# KiCad board panel-16.kicad_pcb (continued)
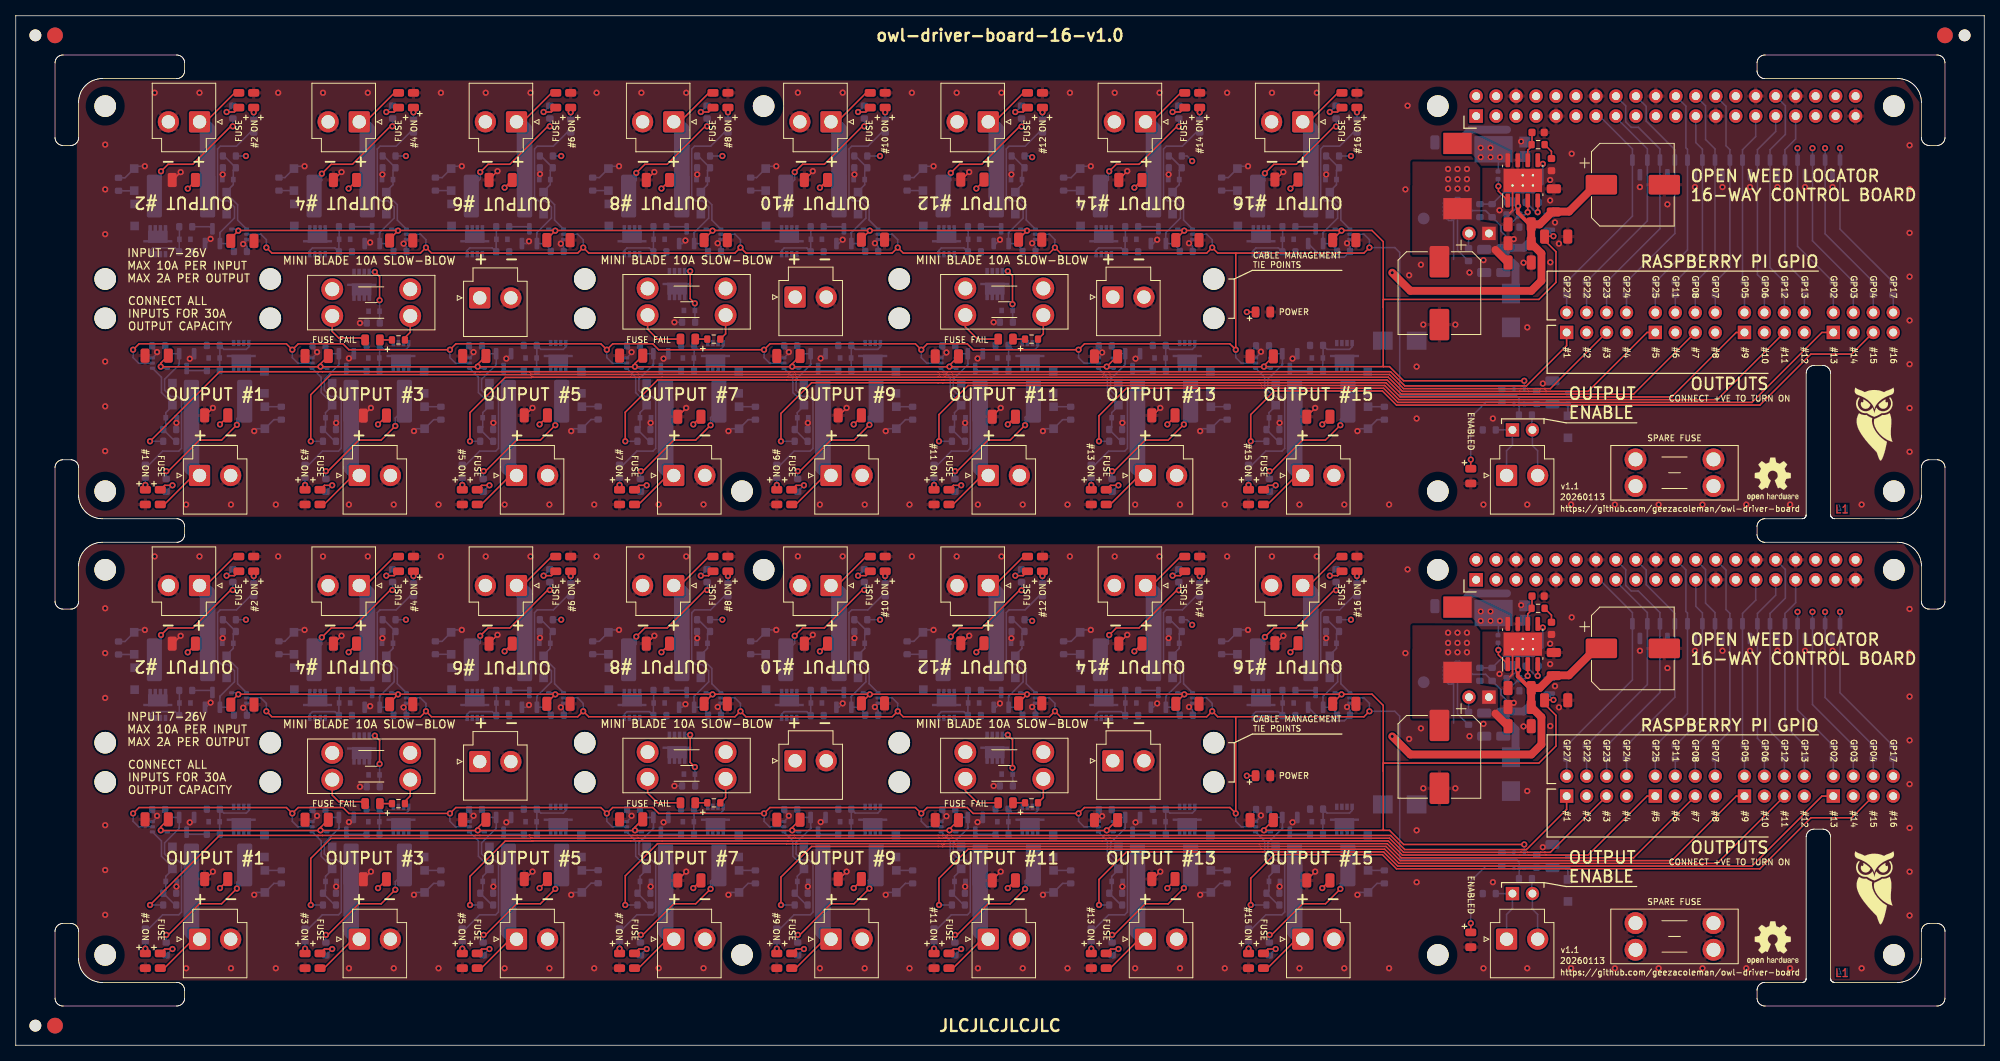
[diagram p0: board, top side]
## Routing (per net, layer and track width the routed paths; a pad name or vN(x,y) marks a point on that pad's centre or on a via; arc(x,y) is an arc through that point) (continued)
Board_0-/Output chain 5/GATE: length 7.4
  Bottom w0.2: 69.98,89.1 69.98,88.88 69.65,88.55 66.78,88.55 R52.1 ; 66.28,87.35 66.28,88.95 ; 66.25,85.75 66.25,87.33
Board_0-/Output chain 5/OUTPUT+: length 14.7
  Top w0.2: 59.22,68.81 62.65,72.25
  Bottom w2: F6.2 62.66,73.53 J12#2.1
Board_0-/Output chain 6/DRAIN: length 15.8
  Top w0.2: v1(67.93,116.93) 67.68,116.93 62.85,112.1 60.08,112.1 v1(59.08,111.1)
  Bottom w0.2: R159#2.2 D54.1 ; 58.62,109.74 59.08,110.2 v1(59.08,111.1) ; v1(67.93,116.93) 67.96,116.95 67.96,117.9
Board_0-/Output chain 6/GATE: length 7.4
  Bottom w0.2: 61.14,104.25 61.14,102.68 ; 57.41,100.9 57.41,101.13 57.74,101.45 60.61,101.45 R70.1 ; 61.11,102.65 61.11,101.05
Board_0-/Output chain 6/OUTPUT+: length 14.7
  Top w0.2: 68.17,121.19 64.74,117.76
  Bottom w2: J13#2.1 64.72,116.47 F7.2
Board_0-/Output chain 7/DRAIN: length 16
  Top w0.2: v1(79.51,73.05) 79.76,73.05 83.7,77 86.48,77 v1(88.38,78.9)
  Bottom w0.2: v1(79.51,73.05) 79.48,73.02 79.48,72.08 ; R160.2 D61#2.1 ; v1(88.38,78.9) 88.38,79.87 88.82,80.31
Board_0-/Output chain 7/GATE: length 7.4
  Bottom w0.2: 89.98,89.1 89.98,88.88 89.65,88.55 86.78,88.55 R77#2.1 ; 86.28,87.35 86.28,88.95 ; 86.25,85.75 86.25,87.33
Board_0-/Output chain 7/OUTPUT+: length 14.7
  Top w0.2: 79.22,68.81 82.65,72.25
  Bottom w2: F8#2.2 82.66,73.53 J14.1
Board_0-/Output chain 8/DRAIN: length 15.8
  Top w0.2: v1(87.93,116.93) 87.68,116.93 82.85,112.1 80.03,112.1 v1(78.93,111)
  Bottom w0.2: R161.2 D68#2.1 ; 87.96,117.9 87.96,116.95 v1(87.93,116.93) ; 78.62,109.74 78.93,110.05 v1(78.93,111)
Board_0-/Output chain 8/GATE: length 7.4
  Bottom w0.2: R84.1 80.61,101.45 77.74,101.45 77.41,101.13 77.41,100.9 ; 81.11,102.65 81.11,101.05 ; 81.14,104.25 81.14,102.68
Board_0-/Output chain 8/OUTPUT+: length 14.7
  Top w0.2: 88.17,121.19 84.74,117.76
  Bottom w2: J15#2.1 84.72,116.47 F9#2.2
Board_0-/Output chain 9/DRAIN: length 16.2
  Top w0.2: v1(99.48,73.05) 99.73,73.05 103.68,77 106.63,77 v1(108.58,78.95)
  Bottom w0.2: R162.2 D75#2.1 ; 108.79,80.31 108.43,79.95 108.43,79.1 v1(108.58,78.95) ; R93#2.2 99.45,73.02 v1(99.48,73.05)
Board_0-/Output chain 9/GATE: length 7.4
  Bottom w0.2: 106.28,87.35 106.28,88.95 ; R91.1 106.78,88.55 109.65,88.55 109.98,88.88 109.98,89.1 ; 106.25,85.75 106.25,87.33
Board_0-/Output chain 9/OUTPUT+: length 14.7
  Top w0.2: 99.22,68.81 102.65,72.25
  Bottom w2: F10#2.2 102.66,73.53 J16.1
Board_0-/Output chain 10/DRAIN: length 15.8
  Top w0.2: v1(107.93,116.93) 107.68,116.93 102.85,112.1 100.08,112.1 v1(99.08,111.1)
  Bottom w0.2: 107.96,117.9 107.96,116.95 v1(107.93,116.93) ; R163#2.2 D82#2.1 ; v1(99.08,111.1) 99.08,110.15 98.62,109.69
Board_0-/Output chain 10/GATE: length 7.4
  Bottom w0.2: 101.14,104.25 101.14,102.68 ; R98#2.1 100.61,101.45 97.74,101.45 97.41,101.13 97.41,100.9 ; 101.11,102.65 101.11,101.05
Board_0-/Output chain 10/OUTPUT+: length 14.7
  Top w0.2: 108.17,121.19 104.74,117.76
  Bottom w2: J17.1 104.72,116.47 F11.2
Board_0-/Output chain 11/DRAIN: length 16.1
  Top w0.2: v1(119.48,73.05) 119.73,73.05 123.68,77 126.48,77 v1(128.38,78.9)
  Bottom w0.2: 128.79,80.31 128.38,79.9 v1(128.38,78.9) ; R107.2 119.45,73.02 v1(119.48,73.05) ; R164.2 D89.1
Board_0-/Output chain 11/GATE: length 7.4
  Bottom w0.2: 129.98,89.1 129.98,88.88 129.65,88.55 126.78,88.55 R105.1 ; 126.25,85.75 126.25,87.33 ; 126.28,87.35 126.28,88.95
Board_0-/Output chain 11/OUTPUT+: length 14.7
  Top w0.2: 119.22,68.81 122.65,72.25
  Bottom w2: J18.1 122.66,73.53 F12#2.2
Board_0-/Output chain 12/DRAIN: length 15.8
  Top w0.2: v1(127.93,116.9) 127.68,116.9 122.88,112.1 120.03,112.1 v1(118.93,111)
  Bottom w0.2: 127.96,117.88 127.96,116.93 v1(127.93,116.9) ; R165.2 D96#2.1 ; v1(118.93,111) 118.93,110.05 118.62,109.74
Board_0-/Output chain 12/GATE: length 7.4
  Bottom w0.2: 121.11,102.65 121.11,101.05 ; 121.14,104.25 121.14,102.68 ; 117.41,100.9 117.41,101.13 117.74,101.45 120.61,101.45 R112.1
Board_0-/Output chain 12/OUTPUT+: length 14.7
  Top w0.2: 128.17,121.19 124.74,117.76
  Bottom w2: J19#2.1 124.72,116.47 F13.2
Board_0-/Output chain 13/DRAIN: length 16
  Top w0.2: v1(148.58,79) 146.58,77 143.66,77 139.71,73.05 v1(139.46,73.05)
  Bottom w0.2: R166.2 D103.1 ; 148.79,80.33 148.58,80.12 v1(148.58,79) ; 139.43,72.08 139.43,73.02
Board_0-/Output chain 13/GATE: length 7.4
  Bottom w0.2: 146.28,87.35 146.28,88.95 ; R119.1 146.78,88.55 149.65,88.55 149.98,88.88 149.98,89.1 ; 146.25,85.75 146.25,87.33
Board_0-/Output chain 13/OUTPUT+: length 14.7
  Top w0.2: 139.22,68.81 142.65,72.25
  Bottom w2: F14.2 142.66,73.53 J20.1
Board_0-/Output chain 14/DRAIN: length 16
  Top w0.2: v1(147.93,116.9) 147.68,116.9 142.88,112.1 139.98,112.1 v1(139.08,111.2)
  Bottom w0.2: 138.62,109.74 138.98,110.1 138.98,111.1 v1(139.08,111.2) ; v1(147.93,116.9) 147.96,116.93 147.96,117.88 ; R167.2 D110#2.1
Board_0-/Output chain 14/GATE: length 7.4
  Bottom w0.2: 141.11,102.65 141.11,101.05 ; 137.41,100.9 137.41,101.13 137.74,101.45 140.61,101.45 R126#2.1 ; 141.14,104.25 141.14,102.68
Board_0-/Output chain 14/OUTPUT+: length 14.7
  Top w0.2: 148.17,121.19 144.74,117.76
  Bottom w2: F15.2 144.72,116.47 J21.1
Board_0-/Output chain 15/DRAIN: length 15.6
  Top w0.2: v1(168.48,78.9) 166.58,77 163.68,77 159.73,73.05 v1(159.48,73.05)
  Bottom w0.2: v1(168.48,78.9) 168.48,79.6 168.79,79.91 ; v1(159.48,73.05) 159.45,73.02 R135.2 ; R168.2 D117#2.1
Board_0-/Output chain 15/GATE: length 7.4
  Bottom w0.2: 169.98,89.1 169.98,88.88 169.65,88.55 166.78,88.55 R133#2.1 ; 166.28,87.35 166.28,88.95 ; 166.25,85.75 166.25,87.33
Board_0-/Output chain 15/OUTPUT+: length 14.7
  Top w0.2: 159.22,68.81 162.65,72.25
  Bottom w2: F16.2 162.66,73.53 J22.1
Board_0-/Output chain 16/DRAIN: length 15.8
  Top w0.2: v1(167.93,116.9) 167.68,116.9 162.88,112.1 160.03,112.1 v1(158.88,110.95)
  Bottom w0.2: v1(167.93,116.9) 167.96,116.93 167.96,117.88 ; 158.62,109.74 158.88,110 v1(158.88,110.95) ; R169#2.2 D124#2.1
Board_0-/Output chain 16/GATE: length 7.4
  Bottom w0.2: R140.1 160.61,101.45 157.74,101.45 157.41,101.13 157.41,100.9 ; 161.14,104.25 161.14,102.68 ; 161.11,102.65 161.11,101.05
Board_0-/Output chain 16/OUTPUT+: length 14.7
  Top w0.2: 168.17,121.19 164.74,117.76
  Bottom w2: J23#2.1 164.72,116.47 F17.2
Board_0-/PI13_GPIO: length 59.7
  In1.Cu w0.2: 188.29,117.44 J2.3 190.12,116.4 191.53,116.4 193.03,114.9 225.88,114.9 v1(226.63,114.15)
  Bottom w0.2: v1(226.63,114.15) D128.1 226.63,101.66 R40#2.1
Board_0-/PI14_GPIO: length 58.6
  In1.Cu w0.2: v1(228.53,114.15) 227.43,115.25 193.81,115.25 J2.5
  Bottom w0.2: R37#2.1 228.53,102.36 D128.2 v1(228.53,114.15)
Board_0-/PI15_GPIO: length 58
  In1.Cu w0.2: J2.7 196,115.6 228.68,115.6 v1(230.13,114.15)
  Bottom w0.2: v1(230.13,114.15) D129.1 230.13,103.26 R36#2.1
Board_0-/PI16_GPIO: length 55.1
  In1.Cu w0.2: v1(232.03,114.15) 230.23,115.95 200.73,115.95 J2.11
  Bottom w0.2: R35#2.1 232.03,103.86 D129.2 v1(232.03,114.15)
Board_0-/PI_5V0_P: length 1.8
  Bottom w0.2: 184.78,101.43 184.78,103.24
Board_0-/SS: length 3.5
  Top w0.2: v1(193.58,106) 193.58,106.01 U1#2.4
  Bottom w0.2: v1(193.58,106) 193.35,106 C24.1
Board_0-/SW: length 3.1
  Bottom w0.2: C17#2.2 188.58,111.23 188.58,113.38 D36.1
  vias: v1(186.33,114.2) v1(186.33,113) v1(187.58,114.2) v1(187.58,113) v1(188.78,113)
Board_0-/VSENSE: length 12.5
  Top w0.2: v1(194.23,112.15) 194.05,112.15 U1#2.5
  Bottom w0.2: 186.23,107.03 187.78,107.03 189.25,108.5 193.13,108.5 194.23,109.6 v1(194.23,112.15)
Board_0-ENABLE: length 409.4
  Top w0.2: 155.18,100.8 v1(155.18,88.5) 154.43,89.25 135.93,89.25 v1(135.18,88.5) 121.78,88.5 121.03,89.25 115.93,89.25 v1(115.18,88.5) 114.43,89.25 95.93,89.25 v1(95.18,88.5) 81.78,88.5 81.03,89.25 75.93,89.25 v1(75.18,88.5) 74.43,89.25 55.98,89.25 v1(55.23,88.5) 42.38,88.5 41.63,89.25 35.93,89.25 v1(35.18,88.5) 34.43,89.25 15.68,89.25 v1(14.93,88.5) ; 155.18,100.8 152.88,100.8 v1(152.18,101.5) 151.48,100.8 132.88,100.8 v1(132.18,101.5) 131.48,100.8 112.88,100.8 v1(112.18,101.5) 111.48,100.8 92.88,100.8 v1(92.18,101.5) 91.48,100.8 72.88,100.8 v1(72.18,101.5) 71.48,100.8 52.88,100.8 v1(52.18,101.5) 51.48,100.8 32.58,100.8 v1(31.88,101.5) ; 155.18,100.8 171.48,100.8 v1(172.18,101.5)
  Bottom w0.2: U8#2.2 U8#2.1 193.39,81.6 ; U8#2.2 191.22,80.23 ; U8#2.2 191.22,82.31 190.88,82.65 176.03,82.65 176.03,100.88 175.4,101.5 v1(172.18,101.5) 172.18,102.5 171.48,103.2 169.67,103.2 ; v1(14.93,88.5) 14.93,87.5 15.63,86.8 17.44,86.8 ; 117.69,86.8 115.88,86.8 115.18,87.5 v1(115.18,88.5) ; v1(31.88,101.5) 31.88,102.5 31.18,103.2 U6.2 ; v1(132.18,101.5) 132.18,102.5 131.48,103.2 129.67,103.2 ; 57.74,86.8 55.93,86.8 55.23,87.5 v1(55.23,88.5) ; v1(112.18,101.5) 112.18,102.5 111.48,103.2 109.67,103.2 ; 137.69,86.8 135.88,86.8 135.18,87.5 v1(135.18,88.5) ; 89.67,103.2 91.48,103.2 92.18,102.5 v1(92.18,101.5) ; 37.69,86.8 35.88,86.8 35.18,87.5 v1(35.18,88.5) ; v1(75.18,88.5) 75.18,87.5 75.88,86.8 77.69,86.8 ; v1(152.18,101.5) 152.18,102.5 151.48,103.2 149.67,103.2 ; v1(52.18,101.5) 52.18,102.5 51.48,103.2 49.67,103.2 ; D40#2.2 D39#2.1 C25#2.1 R47#2.1 ; v1(155.18,88.5) 155.18,87.5 155.88,86.8 157.69,86.8 ; 97.69,86.8 95.88,86.8 95.18,87.5 v1(95.18,88.5) ; v1(72.18,101.5) 72.18,102.5 71.48,103.2 69.67,103.2
Board_0-GND: length 193.6
  Top w0.2: 117.05,87.75 117.18,87.63 117.18,87.35 ; 16.86,87.35 16.86,87.63 16.74,87.75 ; C42.2 137.7,88.15 v1(138.18,88.15) ; 57.18,87.35 57.18,87.63 57.05,87.75 ; C4.2 v1(45.18,81.1) ; 60.28,110.23 v1(61.28,111.23) ; 137.18,87.35 137.18,87.63 137.05,87.75 ; U1#2.9 190.38,106.25 190.03,105.9 ; 80.23,110.11 v1(81.23,111.11) ; 84.28,80.1 v1(85.28,81.1) ; 77.18,87.35 77.18,87.63 77.05,87.75 ; 64.75,80.13 v1(65.73,81.1) ; 37.18,87.35 37.18,87.63 37.05,87.75 ; 144.6,80.13 v1(145.58,81.1) ; 19.98,110.1 v1(20.98,111.1) ; 140.38,110.23 v1(141.38,111.23) ; 164.28,80.1 v1(165.28,81.1) ; 97.05,87.75 97.18,87.63 97.18,87.35 ; 104.7,80.13 v1(105.68,81.1) ; 120.28,110.11 v1(121.28,111.11) ; 160.23,110.11 v1(161.23,111.11) ; 157.05,87.75 157.18,87.63 157.18,87.35 ; 40.44,110.11 v1(41.44,111.11) ; v1(101.38,111.23) 101.38,111.18 C16#2.2 ; 124.28,80.1 v1(125.28,81.1) ; 24.1,80.13 v1(25.08,81.1)
  Bottom w0.2: R156#2.1 53.15,79.6 D18.2 50.95,78.45 v1(50.65,78.15) ; 120.68,79.73 120.68,79.27 v1(120.75,79.2) 120.68,79.13 120.68,78.4 ; 166.68,111.63 v1(166.68,110.8) 166.68,110.24 ; v1(136.74,111.85) 135.69,111.85 ; U3.4 181.98,105.23 182.25,104.95 182.65,104.95 182.9,105.2 U3.2 ; 146.64,110.2 v1(146.64,110.8) 146.64,111.63 ; Q20.2 104.69,102.01 v1(105.18,102.5) ; 100.75,79.8 v1(100.75,79.2) 100.75,78.38 ; R163#2.1 94.24,110.4 D82#2.2 ; v1(130.65,78.15) 130.95,78.45 D89.2 133.15,79.6 R164.1 ; Q16#2.2 84.79,102.01 v1(85.18,102.4) ; 109.82,102.55 109.32,102.05 v1(109.28,102.05) 109.7,101.63 R97#2.1 ; U13.3 78.33,88.08 v1(78.33,88.2) 77.75,88.78 R76.1 ; U5.3 17.98,88.04 v1(17.98,88.2) 17.35,88.83 R11.1 ; 149.82,102.55 149.32,102.05 v1(149.23,102.05) 149.27,102.05 149.7,101.62 R125.1 ; 20.44,78.38 v1(20.44,79.2) 20.44,79.8 ; D11.2 13.9,110.38 R155#2.1 ; 129.82,102.55 129.32,102.05 v1(129.28,102.05) 129.28,102.04 129.7,101.62 R111.1 ; v1(16.42,111.85) 15.37,111.85 ; 66.68,110.24 66.68,111.63 ; v1(56.74,111.85) 55.69,111.85 ; R90#2.1 97.75,88.78 v1(98.33,88.2) 98.33,88.08 U15.3 ; R158.1 73.18,79.63 D28.2 70.95,78.45 v1(70.65,78.15) ; 140.75,78.38 v1(140.75,79.2) 140.75,79.8 ; v1(30.34,78.15) 30.64,78.45 D10#2.2 32.84,79.6 R154.1 ; D68#2.2 74.24,110.4 R161.1 ; 160.75,78.38 v1(160.75,79.2) 160.75,79.8 ; 89.82,102.55 89.32,102.05 v1(89.28,102.05) 89.7,101.63 R83#2.1 ; 40.75,79.8 v1(40.75,79.2) 40.75,78.38 ; U21#2.3 158.38,88.13 v1(158.38,88.25) 157.75,88.88 R132.1 ; D23#2.2 34.24,110.4 R157#2.1 ; 102.97,87.99 v1(102.38,87.4) ; R167.1 134.24,110.4 D110#2.2 ; R104#2.1 117.85,88.68 v1(118.38,88.15) 118.38,88.13 U17.3 ; 163,87.98 v1(162.4,87.37) ; U7.3 38.33,88.08 v1(38.33,88.2) 37.75,88.78 R14.1 ; R19#2.1 49.7,101.62 49.33,101.99 v1(49.33,102) 49.33,102.06 49.82,102.55 ; 46.64,111.63 v1(46.64,110.8) 46.64,110.2 ; Q32#2.2 166.12,100.27 168.98,100.27 R139.1 169.7,101.62 169.33,101.99 v1(169.33,102.05) 169.33,102.06 169.82,102.55 ; 86.68,111.63 v1(86.68,110.8) 86.68,110.24 ; R51#2.1 57.65,88.78 v1(58.23,88.2) 58.23,87.98 U11.3 ; v1(110.65,78.15) 110.95,78.45 D75#2.2 113.15,79.6 R162.1 ; 126.64,110.2 v1(126.64,110.8) 126.64,111.63 ; R169#2.1 154.24,110.4 D124#2.2 ; R159#2.1 54.24,110.4 D54.2 ; v1(150.65,78.15) 150.95,78.45 D103.2 153.15,79.6 R166.1 ; v1(65.28,102.3) 64.99,102.01 Q12.2 ; R160.1 93.15,79.6 D61#2.2 90.95,78.45 v1(90.65,78.15) ; Q24.2 124.69,102.01 v1(125.18,102.5) ; 122.94,87.99 v1(122.34,87.39) ; 63,87.98 v1(62.4,87.37) ; U3.8 U3.9 182.9,107.6 183.15,107.85 183.63,107.85 185.28,106.2 186.95,106.2 R45#2.1 188.9,104.25 188.9,103.62 189.95,102.57 v1(190.53,102.57) ; 42.97,87.99 v1(42.38,87.4) ; R25.1 v1(83.78,92) ; D96#2.2 114.24,110.4 R165.1 ; 182.88,105.48 182.88,100 ; 22.69,87.91 v1(22.14,87.36) ; 24.19,102.01 v1(24.78,102.6) ; U19.3 138.18,87.93 v1(138.18,88.15) 137.75,88.58 R118#2.1 ; 26.32,110.2 v1(26.32,110.8) 26.32,111.63 ; R8#2.1 v1(43.78,91.9) ; 60.75,79.8 v1(60.75,79.2) 60.75,78.38 ; R12#2.1 29.4,101.63 29.09,101.95 v1(28.93,101.95) 28.93,101.98 29.5,102.55 ; 80.75,79.8 v1(80.75,79.2) 80.75,78.38 ; v1(82.4,87.37) 82.41,87.38 82.41,87.39 Q14#2.2 ; 69.82,102.55 69.33,102.06 v1(69.33,102) 69.7,101.63 R69.1 ; v1(156.74,111.85) 155.69,111.85 ; R27.1 v1(124.38,92) ; v1(76.74,111.85) 75.69,111.85 ; 106.68,110.24 v1(106.68,110.8) 106.68,111.63 ; Q28#2.2 144.69,102.01 v1(145.18,102.5) ; v1(96.74,111.85) 95.69,111.85 ; 143,87.94 v1(142.43,87.36) ; v1(170.65,78.15) 170.95,78.45 D117#2.2 173.15,79.6 R168.1 ; v1(36.74,111.85) 35.69,111.85 ; v1(116.74,111.85) 115.69,111.85
  Bottom w0.5: Q8#2.2 44.94,102.01 v1(45.08,102.15)
  Bottom w1: 189.68,116.5 185.05,116.5 184.88,116.33 184.88,116.3 C10.2
  vias: v1(11.38,114.6) v1(11.38,108.9) v1(11.38,103.2) v1(11.38,87) v1(11.38,81.3) v1(11.38,75.6) v1(17.67,121.2) v1(21.68,68.8) v1(23.37,121.2) v1(27.38,68.8) v1(33.08,68.8) v1(33.38,121.2) v1(39.08,121.2) v1(42.38,68.8) v1(44.78,121.2) v1(48.08,68.8) v1(53.78,68.8) v1(54.08,121.2) v1(59.78,121.2) v1(62.18,68.8) v1(65.48,121.2) v1(66.68,110.85) v1(67.88,68.8) v1(73.58,68.8) v1(73.88,121.2) v1(79.58,121.2) v1(81.78,68.81) v1(85.28,121.2) v1(87.48,68.81) v1(99.48,121.21) v1(102.28,68.8) v1(105.18,121.21) v1(107.98,68.8) v1(113.68,68.8) v1(113.98,121.2) v1(119.68,121.2) v1(122.38,68.8) v1(125.38,121.2) v1(128.08,68.8) v1(133.78,68.8) v1(134.08,121.2) v1(139.78,121.2) v1(142.38,68.8) v1(145.48,121.2) v1(148.08,68.8) v1(153.78,68.8) v1(154.08,121.2) v1(159.78,121.2) v1(163.28,68.8) v1(165.48,121.2) v1(168.98,68.8) v1(174.68,68.8) v1(176.75,108.9) v1(177.03,119.55) v1(177.23,97.98) v1(178.18,86.35) v1(178.18,79.75) v1(178.73,99.33) v1(179.03,91.7) v1(183.1,91.7) v1(184.9,98.33) v1(186.68,99.9) v1(186.68,68.8) v1(187.88,79.75) v1(188.72,106.25) v1(191.48,115) v1(191.78,99.58) v1(192.25,91.35) v1(192.25,68.8) v1(194.23,84.2) v1(195.16,110.1) v1(195.16,107.5) v1(195.18,99.63) v1(195.78,104.7) v1(196.28,102) v1(197.82,68.8) v1(197.9,113.45) v1(203.39,68.8) v1(206.58,109.2) v1(208.96,68.8) v1(210.08,107) v1(213.58,109.2) v1(214.54,68.8) v1(217.08,109.2) v1(220.11,68.8) v1(220.58,109.2) v1(224.08,109.2) v1(225.68,68.8) v1(227.58,109.2) v1(231.08,109.2) v1(234.78,68.8) v1(240.88,114.51) v1(240.88,108.94) v1(240.88,103.37) v1(240.88,97.8) v1(240.88,92.23) v1(240.88,86.66) v1(240.88,81.09) v1(240.88,75.51)
Board_0-MOSFET1: length 190.1
  Top w0.2: v1(17.08,76.85) 25.93,85.7 38.49,85.7 38.49,85.7 39.03,85.7 58.49,85.7 58.49,85.7 59.03,85.7 65.34,85.7 65.34,85.7 65.51,85.7 78.49,85.7 78.49,85.7 79.03,85.7 79.03,85.7 98.49,85.7 98.49,85.7 99.03,85.7 99.03,85.7 117.33,85.7 117.91,85.7 118.49,85.7 118.49,85.7 119.03,85.7 119.03,85.7 138.49,85.7 138.49,85.7 139.03,85.7 139.03,85.7 158.49,85.7 174.87,85.7 176.67,83.9 191.6,83.9 191.6,83.9 192.14,83.9 197.26,89.02 J6.1
  Bottom w0.2: v1(17.08,76.85) R9.2
Board_0-MOSFET2: length 184
  In1.Cu w0.2: v1(29.28,113.15) 31.28,115.15 152.5,115.15 178.5,89.15 198.25,89.15 J6.3
  Bottom w0.2: v1(29.28,113.15) R10#2.2
Board_0-MOSFET3: length 177.1
  Top w0.2: v1(37.53,76.85) 37.53,82.78 40.07,85.33 65.46,85.33 65.49,85.35 78.34,85.35 78.35,85.35 79.18,85.35 79.18,85.35 98.34,85.35 98.35,85.35 99.18,85.35 99.18,85.35 118.35,85.35 118.35,85.35 119.18,85.35 119.18,85.35 138.35,85.35 138.35,85.35 139.18,85.35 139.18,85.35 174.72,85.35 176.52,83.55 191.45,83.55 191.45,83.55 192.28,83.55 192.29,83.55 193.96,83.55 193.96,83.55 194.5,83.55 194.5,83.55 195.19,83.55 J6.5
  Bottom w0.2: v1(37.53,76.85) R13.2
Board_0-MOSFET4: length 168.8
  In1.Cu w0.2: J6.7 202.98,88.8 178.36,88.8 152.41,114.75 51.23,114.75 v1(49.63,113.15)
  Bottom w0.2: v1(49.63,113.15) R18#2.2
Board_0-MOSFET5: length 161.4
  Top w0.2: v1(57.78,76.85) 57.78,80.5 62.25,84.97 65.61,84.97 65.63,85 65.8,85 78.2,85 78.2,85 79.32,85 79.32,85 82.23,85 98.2,85 98.2,85 99.32,85 99.32,85 118.2,85 118.2,85 119.32,85 119.32,85 138.2,85 138.2,85 139.32,85 174.58,85 176.37,83.2 191.31,83.2 193.81,83.2 193.81,83.2 194.64,83.2 194.65,83.2 199.99,83.2 207.49,90.7 J25.1
  Bottom w0.2: v1(57.78,76.85) R50.2
Board_0-MOSFET6: length 155.3
  In1.Cu w0.2: v1(69.38,113.15) 69.38,113.75 70.03,114.4 152.26,114.4 178.21,88.45 208.83,88.45 J25.3
  Bottom w0.2: v1(69.38,113.15) R66.2
Board_0-MOSFET7: length 147
  Top w0.2: v1(77.53,76.85) 77.53,80.55 81.63,84.65 98.05,84.65 98.06,84.65 99.47,84.65 99.47,84.65 117.76,84.65 118.05,84.65 119.47,84.65 119.47,84.65 158.15,84.65 158.16,84.65 174.43,84.65 176.23,82.85 205.77,82.85 J25.5
  Bottom w0.2: v1(77.53,76.85) R73.2
Board_0-MOSFET8: length 140
  In1.Cu w0.2: v1(89.88,113.15) 91.53,113.15 92.43,114.05 152.12,114.05 178.07,88.1 213.56,88.1 J25.7
  Bottom w0.2: R80#2.2 v1(89.88,113.15)
Board_0-MOSFET9: length 133.6
  Top w0.2: J27#2.1 218.83,90.7 210.63,82.5 176.08,82.5 174.28,84.3 158.3,84.3 158.3,84.3 119.61,84.3 119.61,84.3 117.91,84.3 117.91,84.3 117.33,84.3 101.23,84.3 97.33,80.4 v1(97.33,76.85)
  Bottom w0.2: v1(97.33,76.85) R87#2.2
Board_0-MOSFET10: length 126.3
  In1.Cu w0.2: J27#2.3 219.47,87.75 177.92,87.75 151.97,113.7 110.48,113.7 v1(109.93,113.15)
  Bottom w0.2: v1(109.93,113.15) R94#2.2
Board_0-MOSFET11: length 118.4
  Top w0.2: v1(117.43,76.85) 117.43,80.25 121.13,83.95 158.44,83.95 158.45,83.95 174.12,83.95 175.92,82.15 216.41,82.15 J27#2.5
  Bottom w0.2: v1(117.43,76.85) R101.2
Board_0-MOSFET12: length 111.5
  In1.Cu w0.2: v1(129.28,113) 129.63,113.35 151.83,113.35 177.78,87.4 224.2,87.4 J27#2.7
  Bottom w0.2: R108.2 129.13,113.15 v1(129.28,113)
Board_0-MOSFET13: length 103.8
  Top w0.2: J29.1 229.73,90.7 220.83,81.8 175.78,81.8 173.98,83.6 158.59,83.6 158.59,83.6 141.28,83.6 137.78,80.1 v1(137.78,76.85)
  Bottom w0.2: v1(137.78,76.85) R115#2.2
Board_0-MOSFET14: length 97.7
  In1.Cu w0.2: v1(149.63,112.5) 152.18,112.5 177.63,87.05 230.07,87.05 J29.3
  Bottom w0.2: R122.2 148.98,113.15 v1(149.63,112.5)
Board_0-MOSFET15: length 90.4
  Top w0.2: J29.5 233.51,87.95 228.33,87.95 221.83,81.45 175.63,81.45 173.83,83.25 160.08,83.25 157.08,80.25 v1(157.08,76.85)
  Bottom w0.2: v1(157.08,76.85) R129#2.2
Board_0-MOSFET16: length 86.2
  In1.Cu w0.2: v1(169.83,113.15) 169.83,109.63 182.6,96.85 238.23,96.85 240.08,95 240.08,91.98 J29.7
  Bottom w0.2: v1(169.83,113.15) R136#2.2
Board_0-Net-(C23-Pad1): length 2.1
  Top w0.2: R44#2.2 195.33,113.73 C23#2.1
Board_0-Net-(D1-A): length 1.5
  Top w0.2: R1#2.1 D1#2.2
Board_0-Net-(D1-K): length 6.3
  Top w0.2: 44.14,89.78 43.92,90 41.08,90 40.26,90.82 F1#2.2
Board_0-Net-(D4-A): length 2.8
  Top w0.2: v1(19.94,71.25) 18.95,71.25 D4.2
  Bottom w0.2: 19.24,70.55 v1(19.94,71.25)
Board_0-Net-(D5-A): length 2.8
  Top w0.2: v1(26.82,118.75) 27.81,118.75 D5.2
  Bottom w0.2: 27.52,119.45 v1(26.82,118.75)
Board_0-Net-(D6-A): length 7.4
  Top w0.2: v1(45.68,98.4) 46.28,97.8 v1(46.28,94.8)
  Bottom w0.2: v1(45.68,98.4) 45.67,98.41 Q1#2.1 ; 46.28,91.93 D6.2 v1(46.28,94.8)
Board_0-Net-(D12-A): length 11.2
  Bottom w0.2: U5.1 18.54,85 18.54,83.05 19.94,81.65 ; 19.94,81.35 19.09,80.5 D45#2.1 19.09,78.68 R53#2.2 20.26,76.85
Board_0-Net-(D13-A): length 11.2
  Bottom w0.2: 26.82,108.35 28.22,106.95 28.22,105 U6.1 ; 26.82,108.65 27.67,109.5 D46.1 27.67,111.33 R54#2.2 26.5,113.15
Board_0-Net-(D14-A): length 11.2
  Bottom w0.2: U7.1 38.85,85 38.85,83.05 40.25,81.65 ; 40.58,76.85 R56.2 39.4,78.68 D47.1 39.4,80.5 40.25,81.35
Board_0-Net-(D19-A): length 2.8
  Top w0.2: D19.2 39.26,71.25 v1(40.25,71.25)
  Bottom w0.2: 39.55,70.55 v1(40.25,71.25)
Board_0-Net-(D20-A): length 11.2
  Bottom w0.2: U10#2.1 48.54,105 48.54,106.95 47.14,108.35 ; 47.14,108.65 47.99,109.5 D48#2.1 47.99,111.33 R57#2.2 46.81,113.15
Board_0-Net-(D24-A): length 2.8
  Top w0.2: v1(47.14,118.75) 48.12,118.75 D24#2.2
  Bottom w0.2: 47.84,119.45 v1(47.14,118.75)
Board_0-Net-(D25-A): length 11.2
  Bottom w0.2: 60.25,81.35 59.4,80.5 D49.1 59.4,78.68 R62.2 60.58,76.85 ; U11.1 58.85,85 58.85,83.05 60.25,81.65
Board_0-Net-(D29-A): length 0.9
  Bottom w0.2: R58#2.1 v1(16.49,71.3)
Board_0-Net-(D30-A): length 0.9
  Bottom w0.2: R59#2.1 v1(30.27,118.7)
Board_0-Net-(D31-A): length 0.9
  Bottom w0.2: R60#2.1 v1(36.8,71.3)
Board_0-Net-(D32-A): length 1.5
  Top w0.2: R24.1 D32#2.2
Board_0-Net-(D32-K): length 6.5
  Top w0.2: F18.2 80.37,91.11 81.63,89.85 D32#2.1
Board_0-Net-(D33-A): length 7.4
  Top w0.2: v1(85.78,98.5) 85.78,95 v1(86.38,94.4)
  Bottom w0.2: v1(86.38,94.4) 86.38,93.51 ; Q34.1 85.77,98.51 v1(85.78,98.5) ; D33#2.2 86.39,92.03
Board_0-Net-(D37-A): length 0.9
  Bottom w0.2: R61.1 v1(50.59,118.7)
Board_0-Net-(D38-A): length 2.3
  Top w0.2: v1(156.58,93.3) D38.2
  Bottom w0.2: v1(156.58,93.3) R23.1
Board_0-Net-(D41-A): length 11.3
  Top w0.2: D41#2.2 v1(185.07,74.53)
  Bottom w0.2: R55#2.1 186.99,81.83 185.07,79.9 v1(185.07,74.53)
Board_0-Net-(D42-A): length 0.9
  Bottom w0.2: R63.1 v1(56.8,71.3)
Board_0-Net-(D43-A): length 2.8
  Top w0.2: v1(60.25,71.25) 59.26,71.25 D43#2.2
  Bottom w0.2: 59.55,70.55 v1(60.25,71.25)
Board_0-Net-(D44-A): length 11.2
  Bottom w0.2: U12.1 68.54,105 68.54,106.95 67.14,108.35 ; 67.14,108.65 67.99,109.5 D50.1 67.99,111.33 R67.2 66.81,113.15
Board_0-Net-(D51-A): length 0.9
  Bottom w0.2: R68#2.1 v1(70.59,118.7)
Board_0-Net-(D55-A): length 2.8
  Top w0.2: D55#2.2 68.12,118.75 v1(67.14,118.75)
  Bottom w0.2: 67.84,119.45 v1(67.14,118.75)
Board_0-Net-(D56-A): length 11.2
  Bottom w0.2: 80.58,76.85 R74.2 79.4,78.68 D57#2.1 79.4,80.5 80.25,81.35 ; 80.25,81.65 78.85,83.05 78.85,85 U13.1
Board_0-Net-(D58-A): length 0.9
  Bottom w0.2: R75#2.1 v1(76.8,71.3)
Board_0-Net-(D62-A): length 2.8
  Top w0.2: D62#2.2 79.26,71.25 v1(80.25,71.25)
  Bottom w0.2: 79.55,70.55 v1(80.25,71.25)
Board_0-Net-(D63-A): length 11.2
  Bottom w0.2: 86.81,113.15 R81#2.2 87.99,111.33 D64#2.1 87.99,109.5 87.14,108.65 ; 87.14,108.35 88.54,106.95 88.54,105 U14.1
Board_0-Net-(D65-A): length 0.9
  Bottom w0.2: R82.1 v1(90.59,118.7)
Board_0-Net-(D69-A): length 2.8
  Top w0.2: v1(87.14,118.75) 88.12,118.75 D69.2
  Bottom w0.2: 87.84,119.45 v1(87.14,118.75)
Board_0-Net-(D70-A): length 11.2
  Bottom w0.2: 100.58,76.85 R88.2 99.4,78.68 D71#2.1 99.4,80.5 100.25,81.35 ; U15.1 98.85,85 98.85,83.05 100.25,81.65
Board_0-Net-(D72-A): length 0.9
  Bottom w0.2: R89#2.1 v1(96.8,71.3)
Board_0-Net-(D76-A): length 2.8
  Top w0.2: D76#2.2 99.26,71.25 v1(100.25,71.25)
  Bottom w0.2: 99.55,70.55 v1(100.25,71.25)
Board_0-Net-(D77-A): length 11.2
  Bottom w0.2: U16.1 108.54,105 108.54,106.95 107.14,108.35 ; 107.14,108.65 107.99,109.5 D78.1 107.99,111.33 R95#2.2 106.81,113.15
Board_0-Net-(D79-A): length 0.9
  Bottom w0.2: R96.1 v1(110.59,118.7)
Board_0-Net-(D83-A): length 2.8
  Top w0.2: D83#2.2 108.12,118.75 v1(107.14,118.75)
  Bottom w0.2: 107.84,119.45 v1(107.14,118.75)
Board_0-Net-(D84-A): length 11.2
  Bottom w0.2: U17.1 118.85,85 118.85,83.05 120.25,81.65 ; 120.25,81.35 119.4,80.5 D85.1 119.4,78.68 R102.2 120.58,76.85
Board_0-Net-(D86-A): length 0.9
  Bottom w0.2: R103.1 v1(116.8,71.3)
Board_0-Net-(D90-A): length 2.8
  Top w0.2: v1(120.25,71.25) 119.26,71.25 D90#2.2
  Bottom w0.2: 119.55,70.55 v1(120.25,71.25)
Board_0-Net-(D91-A): length 11.2
  Bottom w0.2: 127.14,108.35 128.54,106.95 128.54,105 U18#2.1 ; 126.81,113.15 R109#2.2 127.99,111.33 D92.1 127.99,109.5 127.14,108.65
Board_0-Net-(D93-A): length 0.9
  Bottom w0.2: R110.1 v1(130.59,118.7)
Board_0-Net-(D97-A): length 2.8
  Top w0.2: D97#2.2 128.12,118.75 v1(127.14,118.75)
  Bottom w0.2: 127.84,119.45 v1(127.14,118.75)
Board_0-Net-(D98-A): length 11.2
  Bottom w0.2: 140.25,81.65 138.85,83.05 138.85,85 U19.1 ; 140.58,76.85 R116.2 139.4,78.68 D99#2.1 139.4,80.5 140.25,81.35
Board_0-Net-(D100-A): length 0.9
  Bottom w0.2: R117.1 v1(136.8,71.3)
Board_0-Net-(D104-A): length 2.8
  Top w0.2: D104#2.2 139.26,71.25 v1(140.25,71.25)
  Bottom w0.2: 139.55,70.55 v1(140.25,71.25)
Board_0-Net-(D105-A): length 11.2
  Bottom w0.2: U20.1 148.54,105 148.54,106.95 147.14,108.35 ; 147.14,108.65 147.99,109.5 D106#2.1 147.99,111.33 R123#2.2 146.81,113.15
Board_0-Net-(D107-A): length 0.9
  Bottom w0.2: R124.1 v1(150.59,118.7)
Board_0-Net-(D111-A): length 2.8
  Top w0.2: v1(147.14,118.75) 148.12,118.75 D111#2.2
  Bottom w0.2: 147.84,119.45 v1(147.14,118.75)
Board_0-Net-(D112-A): length 11.2
  Bottom w0.2: 160.25,81.65 158.85,83.05 158.85,85 U21#2.1 ; 160.25,81.35 159.4,80.5 D113#2.1 159.4,78.68 R130#2.2 160.58,76.85